# Altium PCB mantarray_beta2_sensor_arrayed.PcbDoc (part 13 of 14) (continued)
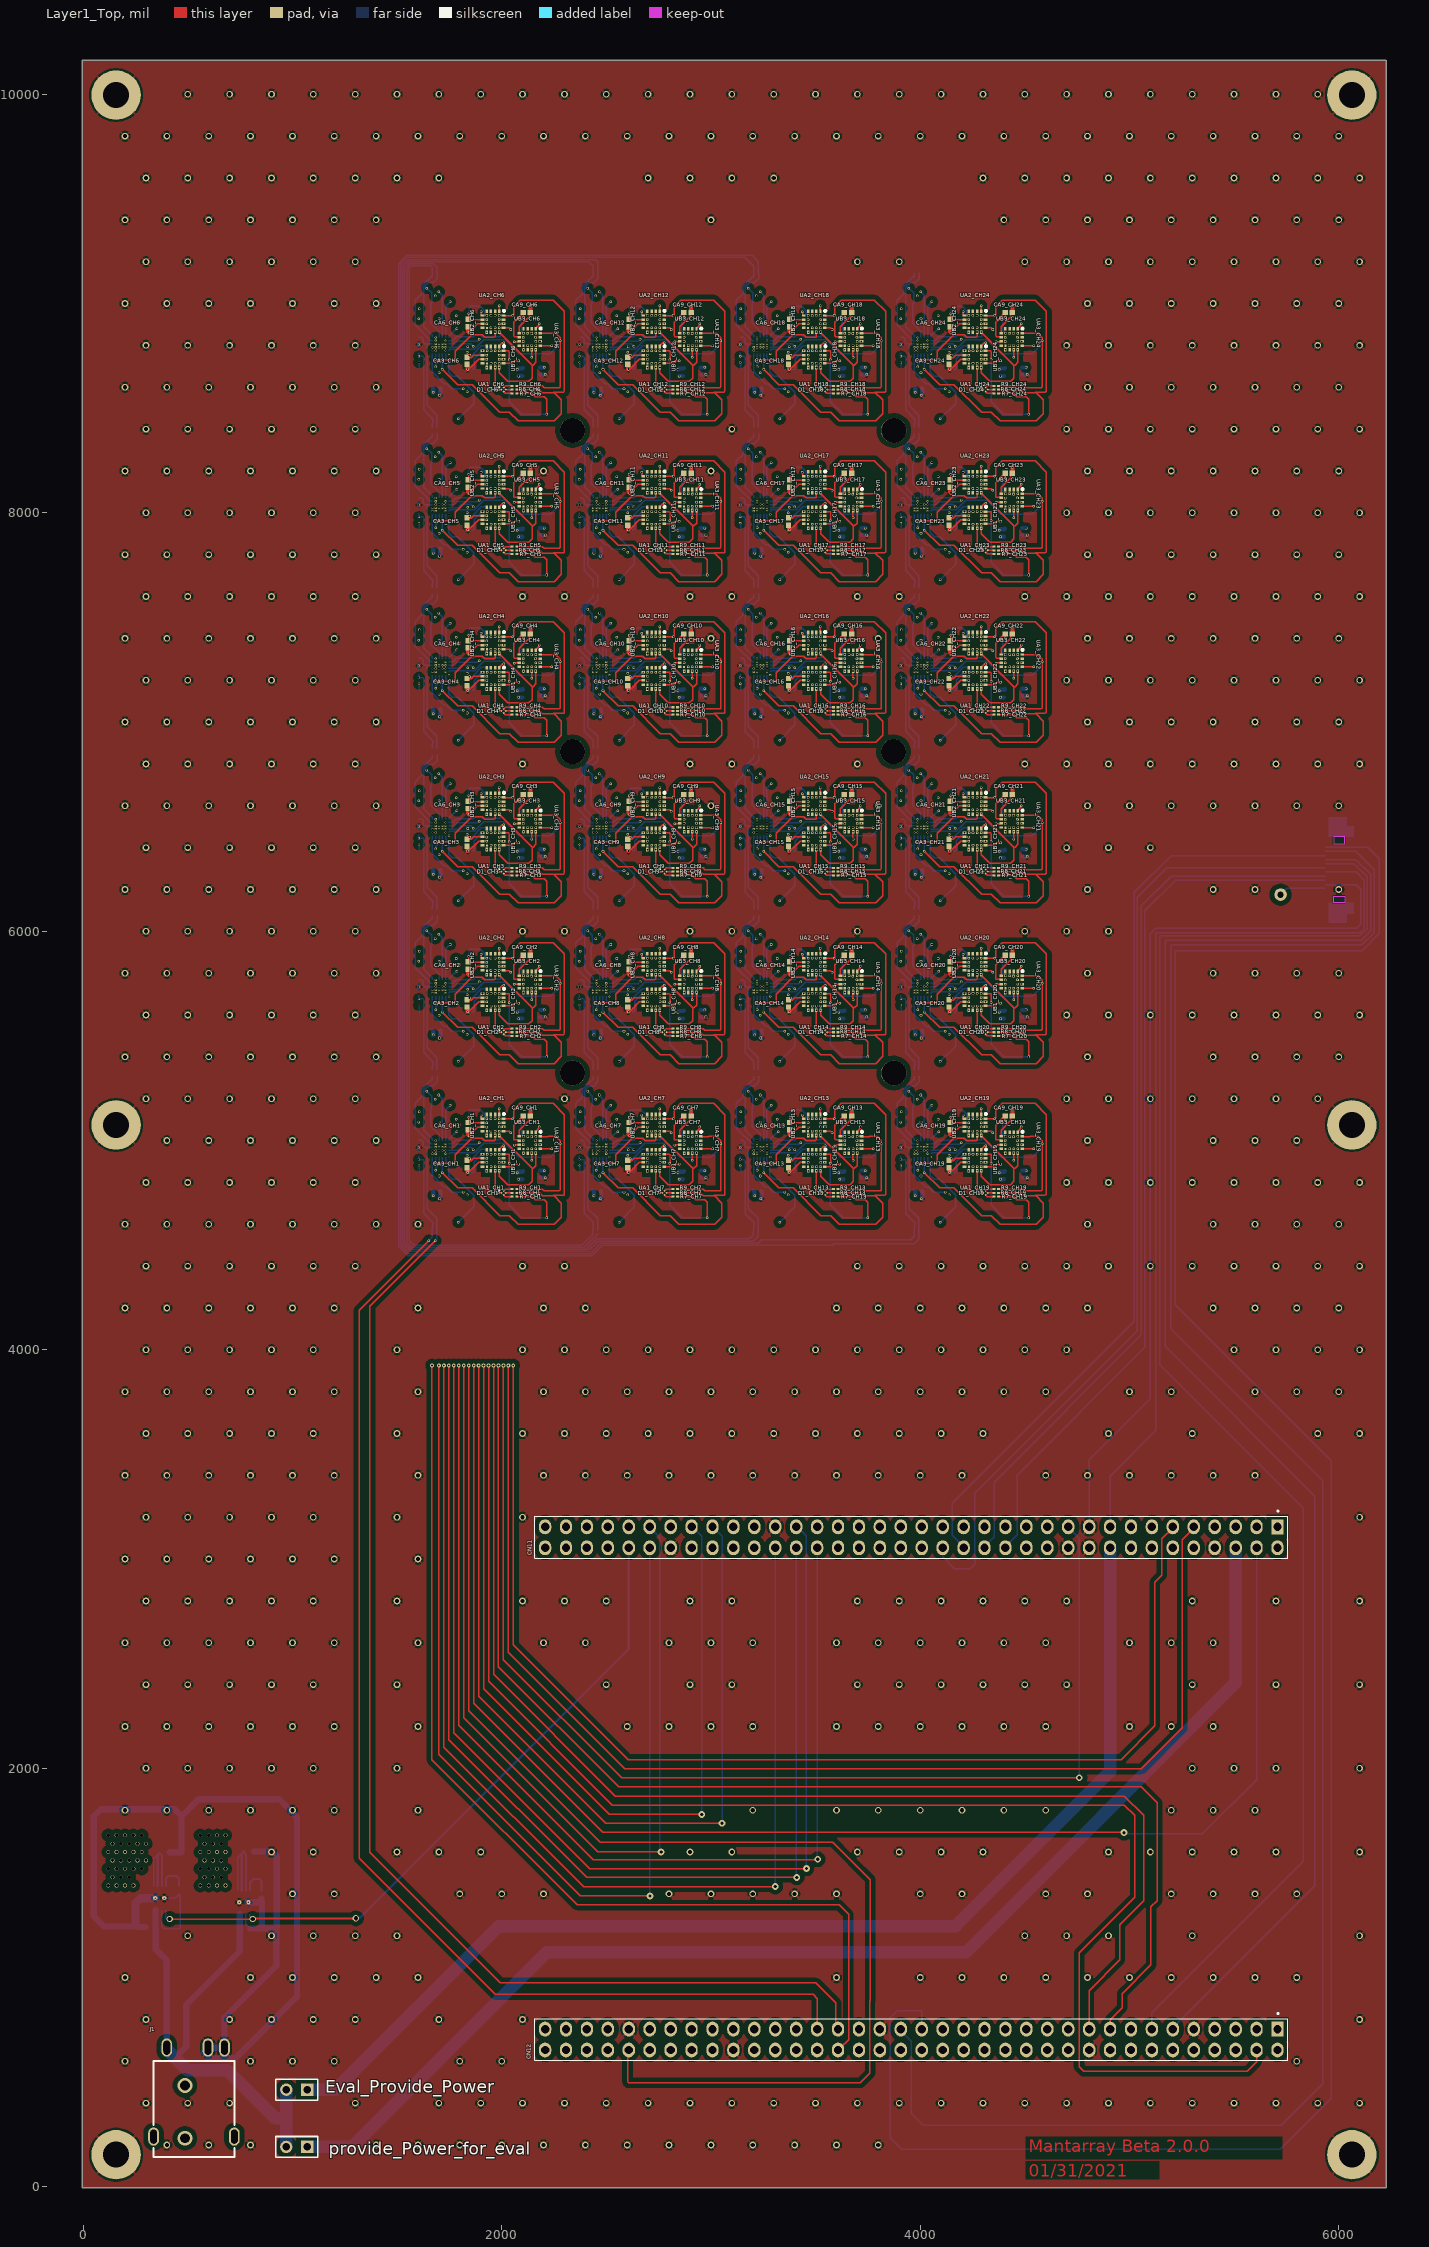
[diagram p0: Layer1_Top view]
## Nets (pads, with @x,y where several pads share a name; then routed paths per layer and width w, separated by ;. In a path a pad name is that pad's centre, name@x,y a point inside that pad or via, vN(x,y) a via of type N, cw(c..) or ccw(c..) an arc to the next point about the centre after c; other vN are vias at no path point) (continued)
  Layer2_sig1 w6: v1(2755.91,6580.71) 2787.4,6580.71 2820.87,6614.17 v1(2820.87,6639.76)
  Layer8_BOT w6: v1(2484.25,6381.89) U1_CH9.F3@2484.25,6456.69
spiB_cs_CH10: R8_CH10.2 U1_CH10.F3 UA2_CH10.10 UB2_CH10.4 | length 1966.1
  Layer1_Top w6: v1(2484.25,7149.61) 2557.09,7076.77 2625.98,7076.77 2757.87,6944.88 2805.12,6944.88 2846.46,6903.54 3018.85,6903.54 3052.88,6937.58 3052.88,7004.77 3016.32,7041.34 ; UB2_CH10.4@2775.88,7407.19 2821.29,7407.19 2824.8,7410.71 2824.8,7448.82 2856.3,7480.31 3013.78,7480.31 3066.93,7427.17 3066.93,7044.85 3063.41,7041.34 3016.32,7041.34 ; R8_CH10.2@2839.57,7053.15 2948.82,7053.15 2962.6,7039.37 3014.35,7039.37 3016.32,7041.34
  Layer2_sig1 w6: v1(2755.91,7348.43) 2787.4,7348.43 2820.87,7381.89 v1(2820.87,7407.48)
  Layer8_BOT w6: v1(2484.25,7149.61) U1_CH10.F3@2484.25,7224.41
spiB_cs_CH11: R8_CH11.2 U1_CH11.F3 UA2_CH11.10 UB2_CH11.4 | length 1966.1
  Layer1_Top w6: v1(2484.25,7917.32) 2557.09,7844.49 2625.98,7844.49 2757.87,7712.6 2805.12,7712.6 2846.46,7671.26 3018.85,7671.26 3052.88,7705.29 3052.88,7772.49 3016.32,7809.06 ; UB2_CH11.4@2775.88,8174.91 2821.29,8174.91 2824.8,8178.42 2824.8,8216.54 2856.3,8248.03 3013.78,8248.03 3066.93,8194.88 3066.93,7812.57 3063.41,7809.06 3016.32,7809.06 ; R8_CH11.2@2839.57,7820.87 2948.82,7820.87 2962.6,7807.09 3014.35,7807.09 3016.32,7809.06
  Layer2_sig1 w6: v1(2755.91,8116.14) 2787.4,8116.14 2820.87,8149.61 v1(2820.87,8175.2)
  Layer8_BOT w6: v1(2484.25,7917.32) U1_CH11.F3@2484.25,7992.13
spiB_cs_CH12: R8_CH12.2 U1_CH12.F3 UA2_CH12.10 UB2_CH12.4 | length 1966.1
  Layer1_Top w6: v1(2484.25,8685.04) 2557.09,8612.2 2625.98,8612.2 2757.87,8480.31 2805.12,8480.31 2846.46,8438.98 3018.85,8438.98 3052.88,8473.01 3052.88,8540.21 3016.32,8576.77 ; UB2_CH12.4@2775.88,8942.63 2821.29,8942.63 2824.8,8946.14 2824.8,8984.25 2856.3,9015.75 3013.78,9015.75 3066.93,8962.6 3066.93,8580.29 3063.41,8576.77 3016.32,8576.77 ; R8_CH12.2@2839.57,8588.58 2948.82,8588.58 2962.6,8574.8 3014.35,8574.8 3016.32,8576.77
  Layer2_sig1 w6: v1(2755.91,8883.86) 2787.4,8883.86 2820.87,8917.32 v1(2820.87,8942.91)
  Layer8_BOT w6: v1(2484.25,8685.04) U1_CH12.F3@2484.25,8759.84
spiB_cs_CH13: R8_CH13.2 U1_CH13.F3 UA2_CH13.10 UB2_CH13.4 | length 1966.1
  Layer1_Top w6: v1(3251.97,4846.46) 3324.8,4773.62 3393.7,4773.62 3525.59,4641.73 3572.83,4641.73 3614.17,4600.39 3786.56,4600.39 3820.6,4634.43 3820.6,4701.62 3784.03,4738.19 ; UB2_CH13.4@3543.6,5104.04 3589.01,5104.04 3592.52,5107.56 3592.52,5145.67 3624.02,5177.17 3781.5,5177.17 3834.65,5124.02 3834.65,4741.7 3831.13,4738.19 3784.03,4738.19 ; R8_CH13.2@3607.28,4750 3716.54,4750 3730.32,4736.22 3782.06,4736.22 3784.03,4738.19
  Layer2_sig1 w6: v1(3523.62,5045.28) 3555.12,5045.28 3588.58,5078.74 v1(3588.58,5104.33)
  Layer8_BOT w6: v1(3251.97,4846.46) U1_CH13.F3@3251.97,4921.26
spiB_cs_CH14: R8_CH14.2 U1_CH14.F3 UA2_CH14.10 UB2_CH14.4 | length 1966.1
  Layer1_Top w6: v1(3251.97,5614.17) 3324.8,5541.34 3393.7,5541.34 3525.59,5409.45 3572.83,5409.45 3614.17,5368.11 3786.56,5368.11 3820.6,5402.14 3820.6,5469.34 3784.03,5505.91 ; UB2_CH14.4@3543.6,5871.76 3589.01,5871.76 3592.52,5875.28 3592.52,5913.39 3624.02,5944.88 3781.5,5944.88 3834.65,5891.73 3834.65,5509.42 3831.13,5505.91 3784.03,5505.91 ; R8_CH14.2@3607.28,5517.72 3716.54,5517.72 3730.32,5503.94 3782.06,5503.94 3784.03,5505.91
  Layer2_sig1 w6: v1(3523.62,5812.99) 3555.12,5812.99 3588.58,5846.46 v1(3588.58,5872.05)
  Layer8_BOT w6: v1(3251.97,5614.17) U1_CH14.F3@3251.97,5688.98
spiB_cs_CH15: R8_CH15.2 U1_CH15.F3 UA2_CH15.10 UB2_CH15.4 | length 1966.1
  Layer1_Top w6: v1(3251.97,6381.89) 3324.8,6309.06 3393.7,6309.06 3525.59,6177.17 3572.83,6177.17 3614.17,6135.83 3786.56,6135.83 3820.6,6169.86 3820.6,6237.06 3784.03,6273.62 ; UB2_CH15.4@3543.6,6639.48 3589.01,6639.48 3592.52,6642.99 3592.52,6681.1 3624.02,6712.6 3781.5,6712.6 3834.65,6659.45 3834.65,6277.14 3831.13,6273.62 3784.03,6273.62 ; R8_CH15.2@3607.28,6285.43 3716.54,6285.43 3730.32,6271.65 3782.06,6271.65 3784.03,6273.62
  Layer2_sig1 w6: v1(3523.62,6580.71) 3555.12,6580.71 3588.58,6614.17 v1(3588.58,6639.76)
  Layer8_BOT w6: v1(3251.97,6381.89) U1_CH15.F3@3251.97,6456.69
spiB_cs_CH16: R8_CH16.2 U1_CH16.F3 UA2_CH16.10 UB2_CH16.4 | length 1966.1
  Layer1_Top w6: v1(3251.97,7149.61) 3324.8,7076.77 3393.7,7076.77 3525.59,6944.88 3572.83,6944.88 3614.17,6903.54 3786.56,6903.54 3820.6,6937.58 3820.6,7004.77 3784.03,7041.34 ; UB2_CH16.4@3543.6,7407.19 3589.01,7407.19 3592.52,7410.71 3592.52,7448.82 3624.02,7480.31 3781.5,7480.31 3834.65,7427.17 3834.65,7044.85 3831.13,7041.34 3784.03,7041.34 ; R8_CH16.2@3607.28,7053.15 3716.54,7053.15 3730.32,7039.37 3782.06,7039.37 3784.03,7041.34
  Layer2_sig1 w6: v1(3523.62,7348.43) 3555.12,7348.43 3588.58,7381.89 v1(3588.58,7407.48)
  Layer8_BOT w6: v1(3251.97,7149.61) U1_CH16.F3@3251.97,7224.41
spiB_cs_CH17: R8_CH17.2 U1_CH17.F3 UA2_CH17.10 UB2_CH17.4 | length 1966.1
  Layer1_Top w6: v1(3251.97,7917.32) 3324.8,7844.49 3393.7,7844.49 3525.59,7712.6 3572.83,7712.6 3614.17,7671.26 3786.56,7671.26 3820.6,7705.29 3820.6,7772.49 3784.03,7809.06 ; UB2_CH17.4@3543.6,8174.91 3589.01,8174.91 3592.52,8178.42 3592.52,8216.54 3624.02,8248.03 3781.5,8248.03 3834.65,8194.88 3834.65,7812.57 3831.13,7809.06 3784.03,7809.06 ; R8_CH17.2@3607.28,7820.87 3716.54,7820.87 3730.32,7807.09 3782.06,7807.09 3784.03,7809.06
  Layer2_sig1 w6: v1(3523.62,8116.14) 3555.12,8116.14 3588.58,8149.61 v1(3588.58,8175.2)
  Layer8_BOT w6: v1(3251.97,7917.32) U1_CH17.F3@3251.97,7992.13
spiB_cs_CH18: R8_CH18.2 U1_CH18.F3 UA2_CH18.10 UB2_CH18.4 | length 1966.1
  Layer1_Top w6: v1(3251.97,8685.04) 3324.8,8612.2 3393.7,8612.2 3525.59,8480.31 3572.83,8480.31 3614.17,8438.98 3786.56,8438.98 3820.6,8473.01 3820.6,8540.21 3784.03,8576.77 ; UB2_CH18.4@3543.6,8942.63 3589.01,8942.63 3592.52,8946.14 3592.52,8984.25 3624.02,9015.75 3781.5,9015.75 3834.65,8962.6 3834.65,8580.29 3831.13,8576.77 3784.03,8576.77 ; R8_CH18.2@3607.28,8588.58 3716.54,8588.58 3730.32,8574.8 3782.06,8574.8 3784.03,8576.77
  Layer2_sig1 w6: v1(3523.62,8883.86) 3555.12,8883.86 3588.58,8917.32 v1(3588.58,8942.91)
  Layer8_BOT w6: v1(3251.97,8685.04) U1_CH18.F3@3251.97,8759.84
spiB_cs_CH19: R8_CH19.2 U1_CH19.F3 UA2_CH19.10 UB2_CH19.4 | length 1966.1
  Layer1_Top w6: v1(4019.69,4846.46) 4092.52,4773.62 4161.42,4773.62 4293.31,4641.73 4340.55,4641.73 4381.89,4600.39 4554.28,4600.39 4588.31,4634.43 4588.31,4701.62 4551.75,4738.19 ; UB2_CH19.4@4311.31,5104.04 4356.72,5104.04 4360.24,5107.56 4360.24,5145.67 4391.73,5177.17 4549.21,5177.17 4602.36,5124.02 4602.36,4741.7 4598.85,4738.19 4551.75,4738.19 ; R8_CH19.2@4375,4750 4484.25,4750 4498.03,4736.22 4549.78,4736.22 4551.75,4738.19
  Layer2_sig1 w6: v1(4291.34,5045.28) 4322.83,5045.28 4356.3,5078.74 v1(4356.3,5104.33)
  Layer8_BOT w6: v1(4019.69,4846.46) U1_CH19.F3@4019.69,4921.26
spiB_cs_CH20: R8_CH20.2 U1_CH20.F3 UA2_CH20.10 UB2_CH20.4 | length 1966.1
  Layer1_Top w6: v1(4019.69,5614.17) 4092.52,5541.34 4161.42,5541.34 4293.31,5409.45 4340.55,5409.45 4381.89,5368.11 4554.28,5368.11 4588.31,5402.14 4588.31,5469.34 4551.75,5505.91 ; UB2_CH20.4@4311.31,5871.76 4356.72,5871.76 4360.24,5875.28 4360.24,5913.39 4391.73,5944.88 4549.21,5944.88 4602.36,5891.73 4602.36,5509.42 4598.85,5505.91 4551.75,5505.91 ; R8_CH20.2@4375,5517.72 4484.25,5517.72 4498.03,5503.94 4549.78,5503.94 4551.75,5505.91
  Layer2_sig1 w6: v1(4291.34,5812.99) 4322.83,5812.99 4356.3,5846.46 v1(4356.3,5872.05)
  Layer8_BOT w6: v1(4019.69,5614.17) U1_CH20.F3@4019.69,5688.98
spiB_cs_CH21: R8_CH21.2 U1_CH21.F3 UA2_CH21.10 UB2_CH21.4 | length 1966.1
  Layer1_Top w6: v1(4019.69,6381.89) 4092.52,6309.06 4161.42,6309.06 4293.31,6177.17 4340.55,6177.17 4381.89,6135.83 4554.28,6135.83 4588.31,6169.86 4588.31,6237.06 4551.75,6273.62 ; UB2_CH21.4@4311.31,6639.48 4356.72,6639.48 4360.24,6642.99 4360.24,6681.1 4391.73,6712.6 4549.21,6712.6 4602.36,6659.45 4602.36,6277.14 4598.85,6273.62 4551.75,6273.62 ; R8_CH21.2@4375,6285.43 4484.25,6285.43 4498.03,6271.65 4549.78,6271.65 4551.75,6273.62
  Layer2_sig1 w6: v1(4291.34,6580.71) 4322.83,6580.71 4356.3,6614.17 v1(4356.3,6639.76)
  Layer8_BOT w6: v1(4019.69,6381.89) U1_CH21.F3@4019.69,6456.69
spiB_cs_CH22: R8_CH22.2 U1_CH22.F3 UA2_CH22.10 UB2_CH22.4 | length 1966.1
  Layer1_Top w6: v1(4019.69,7149.61) 4092.52,7076.77 4161.42,7076.77 4293.31,6944.88 4340.55,6944.88 4381.89,6903.54 4554.28,6903.54 4588.31,6937.58 4588.31,7004.77 4551.75,7041.34 ; UB2_CH22.4@4311.31,7407.19 4356.72,7407.19 4360.24,7410.71 4360.24,7448.82 4391.73,7480.31 4549.21,7480.31 4602.36,7427.17 4602.36,7044.85 4598.85,7041.34 4551.75,7041.34 ; R8_CH22.2@4375,7053.15 4484.25,7053.15 4498.03,7039.37 4549.78,7039.37 4551.75,7041.34
  Layer2_sig1 w6: v1(4291.34,7348.43) 4322.83,7348.43 4356.3,7381.89 v1(4356.3,7407.48)
  Layer8_BOT w6: v1(4019.69,7149.61) U1_CH22.F3@4019.69,7224.41
spiB_cs_CH23: R8_CH23.2 U1_CH23.F3 UA2_CH23.10 UB2_CH23.4 | length 1966.1
  Layer1_Top w6: v1(4019.69,7917.32) 4092.52,7844.49 4161.42,7844.49 4293.31,7712.6 4340.55,7712.6 4381.89,7671.26 4554.28,7671.26 4588.31,7705.29 4588.31,7772.49 4551.75,7809.06 ; UB2_CH23.4@4311.31,8174.91 4356.72,8174.91 4360.24,8178.42 4360.24,8216.54 4391.73,8248.03 4549.21,8248.03 4602.36,8194.88 4602.36,7812.57 4598.85,7809.06 4551.75,7809.06 ; R8_CH23.2@4375,7820.87 4484.25,7820.87 4498.03,7807.09 4549.78,7807.09 4551.75,7809.06
  Layer2_sig1 w6: v1(4291.34,8116.14) 4322.83,8116.14 4356.3,8149.61 v1(4356.3,8175.2)
  Layer8_BOT w6: v1(4019.69,7917.32) U1_CH23.F3@4019.69,7992.13
spiB_cs_CH24: R8_CH24.2 U1_CH24.F3 UA2_CH24.10 UB2_CH24.4 | length 1966.1
  Layer1_Top w6: v1(4019.69,8685.04) 4092.52,8612.2 4161.42,8612.2 4293.31,8480.31 4340.55,8480.31 4381.89,8438.98 4554.28,8438.98 4588.31,8473.01 4588.31,8540.21 4551.75,8576.77 ; UB2_CH24.4@4311.31,8942.63 4356.72,8942.63 4360.24,8946.14 4360.24,8984.25 4391.73,9015.75 4549.21,9015.75 4602.36,8962.6 4602.36,8580.29 4598.85,8576.77 4551.75,8576.77 ; R8_CH24.2@4375,8588.58 4484.25,8588.58 4498.03,8574.8 4549.78,8574.8 4551.75,8576.77
  Layer2_sig1 w6: v1(4291.34,8883.86) 4322.83,8883.86 4356.3,8917.32 v1(4356.3,8942.91)
  Layer8_BOT w6: v1(4019.69,8685.04) U1_CH24.F3@4019.69,8759.84
spiC_cs_CH1: R9_CH1.2 U1_CH1.E1 UA3_CH1.10 UB3_CH1.4 | length 1294.3
  Layer1_Top w6: R9_CH1.2@2071.85,4767.72 2195.08,4767.72 2202.95,4759.84 2276.01,4759.84 2279.53,4763.36 v7(2279.53,4984.25) 2279.53,4998.03 2257.87,5019.69 2222.44,5019.69 2222.15,5019.4 UB3_CH1.4@2183.07,5019.4
  Layer2_sig1 w6: v1(2163.39,4960.63) 2208.66,4960.63 2232.28,4984.25 v7(2279.53,4984.25)
  Layer8_BOT w6: U1_CH1.E1@1748.03,4937.01 1753.94,4942.91 1869.72,4942.91 1914.99,4988.19 2017.72,4988.19 2084.65,4921.26 2232.28,4921.26 2279.53,4968.5 v7(2279.53,4984.25)
spiC_cs_CH2: R9_CH2.2 U1_CH2.E1 UA3_CH2.10 UB3_CH2.4 | length 1294.3
  Layer1_Top w6: R9_CH2.2@2071.85,5535.43 2195.08,5535.43 2202.95,5527.56 2276.01,5527.56 2279.53,5531.07 v7(2279.53,5751.97) 2279.53,5765.75 2257.87,5787.4 2222.44,5787.4 2222.15,5787.11 UB3_CH2.4@2183.07,5787.11
  Layer2_sig1 w6: v1(2163.39,5728.35) 2208.66,5728.35 2232.28,5751.97 v7(2279.53,5751.97)
  Layer8_BOT w6: U1_CH2.E1@1748.03,5704.72 1753.94,5710.63 1869.72,5710.63 1914.99,5755.91 2017.72,5755.91 2084.65,5688.98 2232.28,5688.98 2279.53,5736.22 v7(2279.53,5751.97)
spiC_cs_CH3: R9_CH3.2 U1_CH3.E1 UA3_CH3.10 UB3_CH3.4 | length 1294.3
  Layer1_Top w6: R9_CH3.2@2071.85,6303.15 2195.08,6303.15 2202.95,6295.28 2276.01,6295.28 2279.53,6298.79 v7(2279.53,6519.69) 2279.53,6533.46 2257.87,6555.12 2222.44,6555.12 2222.15,6554.83 UB3_CH3.4@2183.07,6554.83
  Layer2_sig1 w6: v1(2163.39,6496.06) 2208.66,6496.06 2232.28,6519.69 v7(2279.53,6519.69)
  Layer8_BOT w6: U1_CH3.E1@1748.03,6472.44 1753.94,6478.35 1869.72,6478.35 1914.99,6523.62 2017.72,6523.62 2084.65,6456.69 2232.28,6456.69 2279.53,6503.94 v7(2279.53,6519.69)
spiC_cs_CH4: R9_CH4.2 U1_CH4.E1 UA3_CH4.10 UB3_CH4.4 | length 1294.3
  Layer1_Top w6: R9_CH4.2@2071.85,7070.87 2195.08,7070.87 2202.95,7062.99 2276.01,7062.99 2279.53,7066.51 v7(2279.53,7287.4) 2279.53,7301.18 2257.87,7322.83 2222.44,7322.83 2222.15,7322.55 UB3_CH4.4@2183.07,7322.55
  Layer2_sig1 w6: v1(2163.39,7263.78) 2208.66,7263.78 2232.28,7287.4 v7(2279.53,7287.4)
  Layer8_BOT w6: U1_CH4.E1@1748.03,7240.16 1753.94,7246.06 1869.72,7246.06 1914.99,7291.34 2017.72,7291.34 2084.65,7224.41 2232.28,7224.41 2279.53,7271.65 v7(2279.53,7287.4)
spiC_cs_CH5: R9_CH5.2 U1_CH5.E1 UA3_CH5.10 UB3_CH5.4 | length 1294.3
  Layer1_Top w6: R9_CH5.2@2071.85,7838.58 2195.08,7838.58 2202.95,7830.71 2276.01,7830.71 2279.53,7834.22 v7(2279.53,8055.12) 2279.53,8068.9 2257.87,8090.55 2222.44,8090.55 2222.15,8090.26 UB3_CH5.4@2183.07,8090.26
  Layer2_sig1 w6: v1(2163.39,8031.5) 2208.66,8031.5 2232.28,8055.12 v7(2279.53,8055.12)
  Layer8_BOT w6: U1_CH5.E1@1748.03,8007.87 1753.94,8013.78 1869.72,8013.78 1914.99,8059.06 2017.72,8059.06 2084.65,7992.13 2232.28,7992.13 2279.53,8039.37 v7(2279.53,8055.12)
spiC_cs_CH6: R9_CH6.2 U1_CH6.E1 UA3_CH6.10 UB3_CH6.4 | length 1294.3
  Layer1_Top w6: R9_CH6.2@2071.85,8606.3 2195.08,8606.3 2202.95,8598.43 2276.01,8598.43 2279.53,8601.94 v7(2279.53,8822.83) 2279.53,8836.61 2257.87,8858.27 2222.44,8858.27 2222.15,8857.98 UB3_CH6.4@2183.07,8857.98
  Layer2_sig1 w6: v1(2163.39,8799.21) 2208.66,8799.21 2232.28,8822.83 v7(2279.53,8822.83)
  Layer8_BOT w6: U1_CH6.E1@1748.03,8775.59 1753.94,8781.5 1869.72,8781.5 1914.99,8826.77 2017.72,8826.77 2084.65,8759.84 2232.28,8759.84 2279.53,8807.09 v7(2279.53,8822.83)
spiC_cs_CH7: R9_CH7.2 U1_CH7.E1 UA3_CH7.10 UB3_CH7.4 | length 1294.3
  Layer1_Top w6: R9_CH7.2@2839.57,4767.72 2962.8,4767.72 2970.67,4759.84 3043.73,4759.84 3047.24,4763.36 v7(3047.24,4984.25) 3047.24,4998.03 3025.59,5019.69 2990.16,5019.69 2989.87,5019.4 UB3_CH7.4@2950.79,5019.4
  Layer2_sig1 w6: v1(2931.1,4960.63) 2976.38,4960.63 3000,4984.25 v7(3047.24,4984.25)
  Layer8_BOT w6: U1_CH7.E1@2515.75,4937.01 2521.65,4942.91 2637.43,4942.91 2682.71,4988.19 2785.43,4988.19 2852.36,4921.26 3000,4921.26 3047.24,4968.5 v7(3047.24,4984.25)
spiC_cs_CH8: R9_CH8.2 U1_CH8.E1 UA3_CH8.10 UB3_CH8.4 | length 1294.3
  Layer1_Top w6: R9_CH8.2@2839.57,5535.43 2962.8,5535.43 2970.67,5527.56 3043.73,5527.56 3047.24,5531.07 v7(3047.24,5751.97) 3047.24,5765.75 3025.59,5787.4 2990.16,5787.4 2989.87,5787.11 UB3_CH8.4@2950.79,5787.11
  Layer2_sig1 w6: v1(2931.1,5728.35) 2976.38,5728.35 3000,5751.97 v7(3047.24,5751.97)
  Layer8_BOT w6: U1_CH8.E1@2515.75,5704.72 2521.65,5710.63 2637.43,5710.63 2682.71,5755.91 2785.43,5755.91 2852.36,5688.98 3000,5688.98 3047.24,5736.22 v7(3047.24,5751.97)
spiC_cs_CH9: R9_CH9.2 U1_CH9.E1 UA3_CH9.10 UB3_CH9.4 | length 1294.3
  Layer1_Top w6: R9_CH9.2@2839.57,6303.15 2962.8,6303.15 2970.67,6295.28 3043.73,6295.28 3047.24,6298.79 v7(3047.24,6519.69) 3047.24,6533.46 3025.59,6555.12 2990.16,6555.12 2989.87,6554.83 UB3_CH9.4@2950.79,6554.83
  Layer2_sig1 w6: v1(2931.1,6496.06) 2976.38,6496.06 3000,6519.69 v7(3047.24,6519.69)
  Layer8_BOT w6: U1_CH9.E1@2515.75,6472.44 2521.65,6478.35 2637.43,6478.35 2682.71,6523.62 2785.43,6523.62 2852.36,6456.69 3000,6456.69 3047.24,6503.94 v7(3047.24,6519.69)
spiC_cs_CH10: R9_CH10.2 U1_CH10.E1 UA3_CH10.10 UB3_CH10.4 | length 1294.3
  Layer1_Top w6: R9_CH10.2@2839.57,7070.87 2962.8,7070.87 2970.67,7062.99 3043.73,7062.99 3047.24,7066.51 v7(3047.24,7287.4) 3047.24,7301.18 3025.59,7322.83 2990.16,7322.83 2989.87,7322.55 UB3_CH10.4@2950.79,7322.55
  Layer2_sig1 w6: v1(2931.1,7263.78) 2976.38,7263.78 3000,7287.4 v7(3047.24,7287.4)
  Layer8_BOT w6: U1_CH10.E1@2515.75,7240.16 2521.65,7246.06 2637.43,7246.06 2682.71,7291.34 2785.43,7291.34 2852.36,7224.41 3000,7224.41 3047.24,7271.65 v7(3047.24,7287.4)
spiC_cs_CH11: R9_CH11.2 U1_CH11.E1 UA3_CH11.10 UB3_CH11.4 | length 1294.3
  Layer1_Top w6: R9_CH11.2@2839.57,7838.58 2962.8,7838.58 2970.67,7830.71 3043.73,7830.71 3047.24,7834.22 v7(3047.24,8055.12) 3047.24,8068.9 3025.59,8090.55 2990.16,8090.55 2989.87,8090.26 UB3_CH11.4@2950.79,8090.26
  Layer2_sig1 w6: v1(2931.1,8031.5) 2976.38,8031.5 3000,8055.12 v7(3047.24,8055.12)
  Layer8_BOT w6: U1_CH11.E1@2515.75,8007.87 2521.65,8013.78 2637.43,8013.78 2682.71,8059.06 2785.43,8059.06 2852.36,7992.13 3000,7992.13 3047.24,8039.37 v7(3047.24,8055.12)
spiC_cs_CH12: R9_CH12.2 U1_CH12.E1 UA3_CH12.10 UB3_CH12.4 | length 1294.3
  Layer1_Top w6: R9_CH12.2@2839.57,8606.3 2962.8,8606.3 2970.67,8598.43 3043.73,8598.43 3047.24,8601.94 v7(3047.24,8822.83) 3047.24,8836.61 3025.59,8858.27 2990.16,8858.27 2989.87,8857.98 UB3_CH12.4@2950.79,8857.98
  Layer2_sig1 w6: v1(2931.1,8799.21) 2976.38,8799.21 3000,8822.83 v7(3047.24,8822.83)
  Layer8_BOT w6: U1_CH12.E1@2515.75,8775.59 2521.65,8781.5 2637.43,8781.5 2682.71,8826.77 2785.43,8826.77 2852.36,8759.84 3000,8759.84 3047.24,8807.09 v7(3047.24,8822.83)
spiC_cs_CH13: R9_CH13.2 U1_CH13.E1 UA3_CH13.10 UB3_CH13.4 | length 1294.3
  Layer1_Top w6: R9_CH13.2@3607.28,4767.72 3730.51,4767.72 3738.39,4759.84 3811.45,4759.84 3814.96,4763.36 v7(3814.96,4984.25) 3814.96,4998.03 3793.31,5019.69 3757.87,5019.69 3757.59,5019.4 UB3_CH13.4@3718.5,5019.4
  Layer2_sig1 w6: v1(3698.82,4960.63) 3744.09,4960.63 3767.72,4984.25 v7(3814.96,4984.25)
  Layer8_BOT w6: U1_CH13.E1@3283.46,4937.01 3289.37,4942.91 3405.15,4942.91 3450.42,4988.19 3553.15,4988.19 3620.08,4921.26 3767.72,4921.26 3814.96,4968.5 v7(3814.96,4984.25)
spiC_cs_CH14: R9_CH14.2 U1_CH14.E1 UA3_CH14.10 UB3_CH14.4 | length 1294.3
  Layer1_Top w6: R9_CH14.2@3607.28,5535.43 3730.51,5535.43 3738.39,5527.56 3811.45,5527.56 3814.96,5531.07 v7(3814.96,5751.97) 3814.96,5765.75 3793.31,5787.4 3757.87,5787.4 3757.59,5787.11 UB3_CH14.4@3718.5,5787.11
  Layer2_sig1 w6: v1(3698.82,5728.35) 3744.09,5728.35 3767.72,5751.97 v7(3814.96,5751.97)
  Layer8_BOT w6: U1_CH14.E1@3283.46,5704.72 3289.37,5710.63 3405.15,5710.63 3450.42,5755.91 3553.15,5755.91 3620.08,5688.98 3767.72,5688.98 3814.96,5736.22 v7(3814.96,5751.97)
spiC_cs_CH15: R9_CH15.2 U1_CH15.E1 UA3_CH15.10 UB3_CH15.4 | length 1294.3
  Layer1_Top w6: R9_CH15.2@3607.28,6303.15 3730.51,6303.15 3738.39,6295.28 3811.45,6295.28 3814.96,6298.79 v7(3814.96,6519.69) 3814.96,6533.46 3793.31,6555.12 3757.87,6555.12 3757.59,6554.83 UB3_CH15.4@3718.5,6554.83
  Layer2_sig1 w6: v1(3698.82,6496.06) 3744.09,6496.06 3767.72,6519.69 v7(3814.96,6519.69)
  Layer8_BOT w6: U1_CH15.E1@3283.46,6472.44 3289.37,6478.35 3405.15,6478.35 3450.42,6523.62 3553.15,6523.62 3620.08,6456.69 3767.72,6456.69 3814.96,6503.94 v7(3814.96,6519.69)
spiC_cs_CH16: R9_CH16.2 U1_CH16.E1 UA3_CH16.10 UB3_CH16.4 | length 1294.3
  Layer1_Top w6: R9_CH16.2@3607.28,7070.87 3730.51,7070.87 3738.39,7062.99 3811.45,7062.99 3814.96,7066.51 v7(3814.96,7287.4) 3814.96,7301.18 3793.31,7322.83 3757.87,7322.83 3757.59,7322.55 UB3_CH16.4@3718.5,7322.55
  Layer2_sig1 w6: v1(3698.82,7263.78) 3744.09,7263.78 3767.72,7287.4 v7(3814.96,7287.4)
  Layer8_BOT w6: U1_CH16.E1@3283.46,7240.16 3289.37,7246.06 3405.15,7246.06 3450.42,7291.34 3553.15,7291.34 3620.08,7224.41 3767.72,7224.41 3814.96,7271.65 v7(3814.96,7287.4)
spiC_cs_CH17: R9_CH17.2 U1_CH17.E1 UA3_CH17.10 UB3_CH17.4 | length 1294.3
  Layer1_Top w6: R9_CH17.2@3607.28,7838.58 3730.51,7838.58 3738.39,7830.71 3811.45,7830.71 3814.96,7834.22 v7(3814.96,8055.12) 3814.96,8068.9 3793.31,8090.55 3757.87,8090.55 3757.59,8090.26 UB3_CH17.4@3718.5,8090.26
  Layer2_sig1 w6: v1(3698.82,8031.5) 3744.09,8031.5 3767.72,8055.12 v7(3814.96,8055.12)
  Layer8_BOT w6: U1_CH17.E1@3283.46,8007.87 3289.37,8013.78 3405.15,8013.78 3450.42,8059.06 3553.15,8059.06 3620.08,7992.13 3767.72,7992.13 3814.96,8039.37 v7(3814.96,8055.12)
spiC_cs_CH18: R9_CH18.2 U1_CH18.E1 UA3_CH18.10 UB3_CH18.4 | length 1294.3
  Layer1_Top w6: R9_CH18.2@3607.28,8606.3 3730.51,8606.3 3738.39,8598.43 3811.45,8598.43 3814.96,8601.94 v7(3814.96,8822.83) 3814.96,8836.61 3793.31,8858.27 3757.87,8858.27 3757.59,8857.98 UB3_CH18.4@3718.5,8857.98
  Layer2_sig1 w6: v1(3698.82,8799.21) 3744.09,8799.21 3767.72,8822.83 v7(3814.96,8822.83)
  Layer8_BOT w6: U1_CH18.E1@3283.46,8775.59 3289.37,8781.5 3405.15,8781.5 3450.42,8826.77 3553.15,8826.77 3620.08,8759.84 3767.72,8759.84 3814.96,8807.09 v7(3814.96,8822.83)
spiC_cs_CH19: R9_CH19.2 U1_CH19.E1 UA3_CH19.10 UB3_CH19.4 | length 1294.3
  Layer1_Top w6: R9_CH19.2@4375,4767.72 4498.23,4767.72 4506.1,4759.84 4579.16,4759.84 4582.68,4763.36 v7(4582.68,4984.25) 4582.68,4998.03 4561.02,5019.69 4525.59,5019.69 4525.3,5019.4 UB3_CH19.4@4486.22,5019.4
  Layer2_sig1 w6: v1(4466.54,4960.63) 4511.81,4960.63 4535.43,4984.25 v7(4582.68,4984.25)
  Layer8_BOT w6: U1_CH19.E1@4051.18,4937.01 4057.09,4942.91 4172.87,4942.91 4218.14,4988.19 4320.87,4988.19 4387.8,4921.26 4535.43,4921.26 4582.68,4968.5 v7(4582.68,4984.25)
spiC_cs_CH20: R9_CH20.2 U1_CH20.E1 UA3_CH20.10 UB3_CH20.4 | length 1294.3
  Layer1_Top w6: R9_CH20.2@4375,5535.43 4498.23,5535.43 4506.1,5527.56 4579.16,5527.56 4582.68,5531.07 v7(4582.68,5751.97) 4582.68,5765.75 4561.02,5787.4 4525.59,5787.4 4525.3,5787.11 UB3_CH20.4@4486.22,5787.11
  Layer2_sig1 w6: v1(4466.54,5728.35) 4511.81,5728.35 4535.43,5751.97 v7(4582.68,5751.97)
  Layer8_BOT w6: U1_CH20.E1@4051.18,5704.72 4057.09,5710.63 4172.87,5710.63 4218.14,5755.91 4320.87,5755.91 4387.8,5688.98 4535.43,5688.98 4582.68,5736.22 v7(4582.68,5751.97)
spiC_cs_CH21: R9_CH21.2 U1_CH21.E1 UA3_CH21.10 UB3_CH21.4 | length 1294.3
  Layer1_Top w6: R9_CH21.2@4375,6303.15 4498.23,6303.15 4506.1,6295.28 4579.16,6295.28 4582.68,6298.79 v7(4582.68,6519.69) 4582.68,6533.46 4561.02,6555.12 4525.59,6555.12 4525.3,6554.83 UB3_CH21.4@4486.22,6554.83
  Layer2_sig1 w6: v1(4466.54,6496.06) 4511.81,6496.06 4535.43,6519.69 v7(4582.68,6519.69)
  Layer8_BOT w6: U1_CH21.E1@4051.18,6472.44 4057.09,6478.35 4172.87,6478.35 4218.14,6523.62 4320.87,6523.62 4387.8,6456.69 4535.43,6456.69 4582.68,6503.94 v7(4582.68,6519.69)
spiC_cs_CH22: R9_CH22.2 U1_CH22.E1 UA3_CH22.10 UB3_CH22.4 | length 1294.3
  Layer1_Top w6: R9_CH22.2@4375,7070.87 4498.23,7070.87 4506.1,7062.99 4579.16,7062.99 4582.68,7066.51 v7(4582.68,7287.4) 4582.68,7301.18 4561.02,7322.83 4525.59,7322.83 4525.3,7322.55 UB3_CH22.4@4486.22,7322.55
  Layer2_sig1 w6: v1(4466.54,7263.78) 4511.81,7263.78 4535.43,7287.4 v7(4582.68,7287.4)
  Layer8_BOT w6: U1_CH22.E1@4051.18,7240.16 4057.09,7246.06 4172.87,7246.06 4218.14,7291.34 4320.87,7291.34 4387.8,7224.41 4535.43,7224.41 4582.68,7271.65 v7(4582.68,7287.4)
spiC_cs_CH23: R9_CH23.2 U1_CH23.E1 UA3_CH23.10 UB3_CH23.4 | length 1294.3
  Layer1_Top w6: R9_CH23.2@4375,7838.58 4498.23,7838.58 4506.1,7830.71 4579.16,7830.71 4582.68,7834.22 v7(4582.68,8055.12) 4582.68,8068.9 4561.02,8090.55 4525.59,8090.55 4525.3,8090.26 UB3_CH23.4@4486.22,8090.26
  Layer2_sig1 w6: v1(4466.54,8031.5) 4511.81,8031.5 4535.43,8055.12 v7(4582.68,8055.12)
  Layer8_BOT w6: U1_CH23.E1@4051.18,8007.87 4057.09,8013.78 4172.87,8013.78 4218.14,8059.06 4320.87,8059.06 4387.8,7992.13 4535.43,7992.13 4582.68,8039.37 v7(4582.68,8055.12)
spiC_cs_CH24: R9_CH24.2 U1_CH24.E1 UA3_CH24.10 UB3_CH24.4 | length 1294.3
  Layer1_Top w6: R9_CH24.2@4375,8606.3 4498.23,8606.3 4506.1,8598.43 4579.16,8598.43 4582.68,8601.94 v7(4582.68,8822.83) 4582.68,8836.61 4561.02,8858.27 4525.59,8858.27 4525.3,8857.98 UB3_CH24.4@4486.22,8857.98
  Layer2_sig1 w6: v1(4466.54,8799.21) 4511.81,8799.21 4535.43,8822.83 v7(4582.68,8822.83)
  Layer8_BOT w6: U1_CH24.E1@4051.18,8775.59 4057.09,8781.5 4172.87,8781.5 4218.14,8826.77 4320.87,8826.77 4387.8,8759.84 4535.43,8759.84 4582.68,8807.09 v7(4582.68,8822.83)

## Text inside footprints (layer, text, board x,y; h text height)
U1_CH8: Mechanical 7 "0.114in/2.896mm" at 2254.38,5715.85 h25; Mechanical 7 "0.104in/2.642mm" at 2570.13,5880.35 h25; Mechanical 7 "0.016in/0.4mm" at 2329.38,5747.34 h25; Mechanical 7 "Default Padstyle: EX8.82Y8.82D0TA" at 2735.24,5541.34 h50; Bottom Overlay "6" at 2426.18,5806.1 h10; Bottom Overlay "1" at 2520.67,5807.09 h10; Bottom Overlay "F" at 2556.1,5677.17 h10; Bottom Overlay "A" at 2555.12,5767.72 h10
U1_CH9: Mechanical 7 "0.114in/2.896mm" at 2254.38,6483.56 h25; Mechanical 7 "0.104in/2.642mm" at 2570.13,6648.06 h25; Mechanical 7 "0.016in/0.4mm" at 2329.38,6515.06 h25; Mechanical 7 "Default Padstyle: EX8.82Y8.82D0TA" at 2735.24,6309.06 h50; Bottom Overlay "6" at 2426.18,6573.82 h10; Bottom Overlay "1" at 2520.67,6574.8 h10; Bottom Overlay "F" at 2556.1,6444.88 h10; Bottom Overlay "A" at 2555.12,6535.43 h10
U1_CH10: Mechanical 7 "0.114in/2.896mm" at 2254.38,7251.28 h25; Mechanical 7 "0.104in/2.642mm" at 2570.13,7415.78 h25; Mechanical 7 "0.016in/0.4mm" at 2329.38,7282.78 h25; Mechanical 7 "Default Padstyle: EX8.82Y8.82D0TA" at 2735.24,7076.77 h50; Bottom Overlay "6" at 2426.18,7341.54 h10; Bottom Overlay "1" at 2520.67,7342.52 h10; Bottom Overlay "F" at 2556.1,7212.6 h10; Bottom Overlay "A" at 2555.12,7303.15 h10
U1_CH11: Mechanical 7 "0.114in/2.896mm" at 2254.38,8019 h25; Mechanical 7 "0.104in/2.642mm" at 2570.13,8183.5 h25; Mechanical 7 "0.016in/0.4mm" at 2329.38,8050.49 h25; Mechanical 7 "Default Padstyle: EX8.82Y8.82D0TA" at 2735.24,7844.49 h50; Bottom Overlay "6" at 2426.18,8109.25 h10; Bottom Overlay "1" at 2520.67,8110.24 h10; Bottom Overlay "F" at 2556.1,7980.31 h10; Bottom Overlay "A" at 2555.12,8070.87 h10
U1_CH12: Mechanical 7 "0.114in/2.896mm" at 2254.38,8786.71 h25; Mechanical 7 "0.104in/2.642mm" at 2570.13,8951.21 h25; Mechanical 7 "0.016in/0.4mm" at 2329.38,8818.21 h25; Mechanical 7 "Default Padstyle: EX8.82Y8.82D0TA" at 2735.24,8612.2 h50; Bottom Overlay "6" at 2426.18,8876.97 h10; Bottom Overlay "1" at 2520.67,8877.95 h10; Bottom Overlay "F" at 2556.1,8748.03 h10; Bottom Overlay "A" at 2555.12,8838.58 h10
U1_CH13: Mechanical 7 "0.114in/2.896mm" at 3022.09,4948.13 h25; Mechanical 7 "0.104in/2.642mm" at 3337.84,5112.63 h25; Mechanical 7 "0.016in/0.4mm" at 3097.09,4979.63 h25; Mechanical 7 "Default Padstyle: EX8.82Y8.82D0TA" at 3502.95,4773.62 h50; Bottom Overlay "6" at 3193.9,5038.39 h10; Bottom Overlay "1" at 3288.39,5039.37 h10; Bottom Overlay "F" at 3323.82,4909.45 h10; Bottom Overlay "A" at 3322.83,5000 h10
U1_CH14: Mechanical 7 "0.114in/2.896mm" at 3022.09,5715.85 h25; Mechanical 7 "0.104in/2.642mm" at 3337.84,5880.35 h25; Mechanical 7 "0.016in/0.4mm" at 3097.09,5747.34 h25; Mechanical 7 "Default Padstyle: EX8.82Y8.82D0TA" at 3502.95,5541.34 h50; Bottom Overlay "6" at 3193.9,5806.1 h10; Bottom Overlay "1" at 3288.39,5807.09 h10; Bottom Overlay "F" at 3323.82,5677.17 h10; Bottom Overlay "A" at 3322.83,5767.72 h10
U1_CH15: Mechanical 7 "0.114in/2.896mm" at 3022.09,6483.56 h25; Mechanical 7 "0.104in/2.642mm" at 3337.84,6648.06 h25; Mechanical 7 "0.016in/0.4mm" at 3097.09,6515.06 h25; Mechanical 7 "Default Padstyle: EX8.82Y8.82D0TA" at 3502.95,6309.06 h50; Bottom Overlay "6" at 3193.9,6573.82 h10; Bottom Overlay "1" at 3288.39,6574.8 h10; Bottom Overlay "F" at 3323.82,6444.88 h10; Bottom Overlay "A" at 3322.83,6535.43 h10
U1_CH16: Mechanical 7 "0.114in/2.896mm" at 3022.09,7251.28 h25; Mechanical 7 "0.104in/2.642mm" at 3337.84,7415.78 h25; Mechanical 7 "0.016in/0.4mm" at 3097.09,7282.78 h25; Mechanical 7 "Default Padstyle: EX8.82Y8.82D0TA" at 3502.95,7076.77 h50; Bottom Overlay "6" at 3193.9,7341.54 h10; Bottom Overlay "1" at 3288.39,7342.52 h10; Bottom Overlay "F" at 3323.82,7212.6 h10; Bottom Overlay "A" at 3322.83,7303.15 h10
U1_CH17: Mechanical 7 "0.114in/2.896mm" at 3022.09,8019 h25; Mechanical 7 "0.104in/2.642mm" at 3337.84,8183.5 h25; Mechanical 7 "0.016in/0.4mm" at 3097.09,8050.49 h25; Mechanical 7 "Default Padstyle: EX8.82Y8.82D0TA" at 3502.95,7844.49 h50; Bottom Overlay "6" at 3193.9,8109.25 h10; Bottom Overlay "1" at 3288.39,8110.24 h10; Bottom Overlay "F" at 3323.82,7980.31 h10; Bottom Overlay "A" at 3322.83,8070.87 h10
U1_CH18: Mechanical 7 "0.114in/2.896mm" at 3022.09,8786.71 h25; Mechanical 7 "0.104in/2.642mm" at 3337.84,8951.21 h25; Mechanical 7 "0.016in/0.4mm" at 3097.09,8818.21 h25; Mechanical 7 "Default Padstyle: EX8.82Y8.82D0TA" at 3502.95,8612.2 h50; Bottom Overlay "6" at 3193.9,8876.97 h10; Bottom Overlay "1" at 3288.39,8877.95 h10; Bottom Overlay "F" at 3323.82,8748.03 h10; Bottom Overlay "A" at 3322.83,8838.58 h10
U1_CH19: Mechanical 7 "0.114in/2.896mm" at 3789.81,4948.13 h25; Mechanical 7 "0.104in/2.642mm" at 4105.56,5112.63 h25; Mechanical 7 "0.016in/0.4mm" at 3864.81,4979.63 h25; Mechanical 7 "Default Padstyle: EX8.82Y8.82D0TA" at 4270.67,4773.62 h50; Bottom Overlay "6" at 3961.61,5038.39 h10; Bottom Overlay "1" at 4056.1,5039.37 h10; Bottom Overlay "F" at 4091.54,4909.45 h10; Bottom Overlay "A" at 4090.55,5000 h10
U1_CH20: Mechanical 7 "0.114in/2.896mm" at 3789.81,5715.85 h25; Mechanical 7 "0.104in/2.642mm" at 4105.56,5880.35 h25; Mechanical 7 "0.016in/0.4mm" at 3864.81,5747.34 h25; Mechanical 7 "Default Padstyle: EX8.82Y8.82D0TA" at 4270.67,5541.34 h50; Bottom Overlay "6" at 3961.61,5806.1 h10; Bottom Overlay "1" at 4056.1,5807.09 h10; Bottom Overlay "F" at 4091.54,5677.17 h10; Bottom Overlay "A" at 4090.55,5767.72 h10
U1_CH21: Mechanical 7 "0.114in/2.896mm" at 3789.81,6483.56 h25; Mechanical 7 "0.104in/2.642mm" at 4105.56,6648.06 h25; Mechanical 7 "0.016in/0.4mm" at 3864.81,6515.06 h25; Mechanical 7 "Default Padstyle: EX8.82Y8.82D0TA" at 4270.67,6309.06 h50; Bottom Overlay "6" at 3961.61,6573.82 h10; Bottom Overlay "1" at 4056.1,6574.8 h10; Bottom Overlay "F" at 4091.54,6444.88 h10; Bottom Overlay "A" at 4090.55,6535.43 h10
U1_CH22: Mechanical 7 "0.114in/2.896mm" at 3789.81,7251.28 h25; Mechanical 7 "0.104in/2.642mm" at 4105.56,7415.78 h25; Mechanical 7 "0.016in/0.4mm" at 3864.81,7282.78 h25; Mechanical 7 "Default Padstyle: EX8.82Y8.82D0TA" at 4270.67,7076.77 h50; Bottom Overlay "6" at 3961.61,7341.54 h10; Bottom Overlay "1" at 4056.1,7342.52 h10; Bottom Overlay "F" at 4091.54,7212.6 h10; Bottom Overlay "A" at 4090.55,7303.15 h10
U1_CH23: Mechanical 7 "0.114in/2.896mm" at 3789.81,8019 h25; Mechanical 7 "0.104in/2.642mm" at 4105.56,8183.5 h25; Mechanical 7 "0.016in/0.4mm" at 3864.81,8050.49 h25; Mechanical 7 "Default Padstyle: EX8.82Y8.82D0TA" at 4270.67,7844.49 h50; Bottom Overlay "6" at 3961.61,8109.25 h10; Bottom Overlay "1" at 4056.1,8110.24 h10; Bottom Overlay "F" at 4091.54,7980.31 h10; Bottom Overlay "A" at 4090.55,8070.87 h10
U1_CH24: Mechanical 7 "0.114in/2.896mm" at 3789.81,8786.71 h25; Mechanical 7 "0.104in/2.642mm" at 4105.56,8951.21 h25; Mechanical 7 "0.016in/0.4mm" at 3864.81,8818.21 h25; Mechanical 7 "Default Padstyle: EX8.82Y8.82D0TA" at 4270.67,8612.2 h50; Bottom Overlay "6" at 3961.61,8876.97 h10; Bottom Overlay "1" at 4056.1,8877.95 h10; Bottom Overlay "F" at 4091.54,8748.03 h10; Bottom Overlay "A" at 4090.55,8838.58 h10